# Altium PCB CFD_V1.03.PcbDoc (part 4 of 10)
Units mm, origin at the board's own origin, x right, y up, seen from the top; angles counter-clockwise.
Board outline 96.25 x 362.25 mm, 6 copper layers (Top, L2, L3, L4, L5, Bot), stack 1.496 mm thick; 1353 components, 761 nets, 4147 pads, 1354 vias.
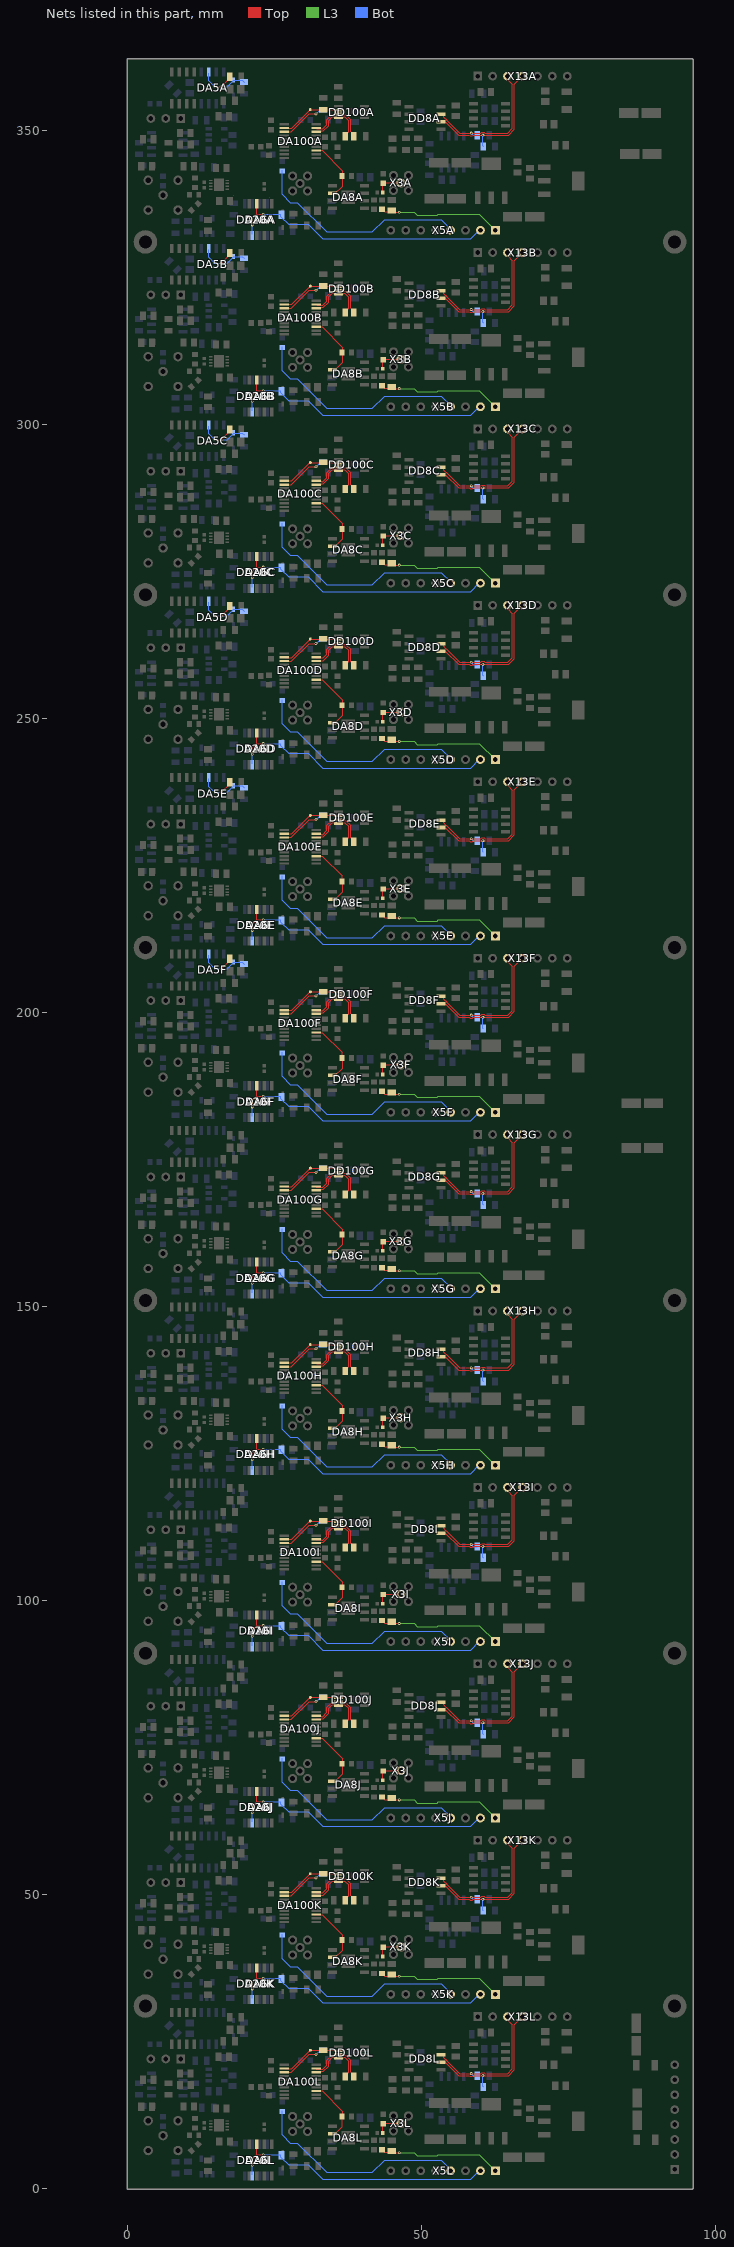
[diagram p8: the nets of this part, all layers, seen from the top]

## Part data (continued)
R4A R4B R4C R4D R4E R4F R4G R4H R4I R4J R4K R4L: library part R0603_18R_0.1%_0.1W_25PPM, "Resistor - 0.1%", Case=0603, Manufacturer=GENERIC, Manufacturer1 ComponentHeight=0.55mm, Manufacturer1 Example=YAGEO, Manufacturer1 Part Number=RT0603BRD0718RL, Power=0.1W, Tolerance=±0.1%, Author="CERN DEM HF", Component Type=Standard, CreateDate=25.04.2024, HelpURL=\\cern.ch\dfs\Applications\Altium\Datasheets\R0603_YAGEO_RT.pdf, LatestRevisionDate=25.04.2024, Manufacturer Part Number=R0603_18R_0.1%_0.1W_25PPM, Mounted=Yes, Part Description="Thin Film Chip Resistor", Part Number=R0603_18R_0.1%_0.1W_25PPM, Pin Count=2, PressFit=No, Sense=No, SMD=Yes, Socket=No, Status="Not Recommended", TC=±25ppm/°C
R5A R5B R5C R5D R5E R5F R5G R5H R5I R5J R5K R5L: library part R0805_1K_1%_0.125W_100PPM, "Resistor - 1%", Case=0805, Manufacturer=GENERIC, Manufacturer1 ComponentHeight=0.6mm, Manufacturer1 Example="NIC COMPONENT", Manufacturer1 Part Number=NRC10F1001TRF, Power=0.125W, Tolerance=±1%, Author="CERN DEM JLC", Component Type=Standard, CreateDate=03.12.2007, HelpURL=\\cern.ch\dfs\Applications\Altium\Datasheets\R0805_NIC_NRC.pdf, LatestRevisionDate=13.03.2008, Manufacturer Part Number=R0805_1K_1%_0.125W_100PPM, Mounted=Yes, Part Description="General Purpose Thick Film Chip Resistor", Part Number=R0805_1K_1%_0.125W_100PPM, Pin Count=2, PressFit=No, Sense=No, SMD=Yes, Socket=No, Status=Preferred, TC=±100ppm/°C
R6A R6B R6C R6D R6E R6F R6G R6H R6I R6J R6K R6L: library part R0402_240R_0.1%_0.0625W_10PPM, "Resistor - 0.1%", Case=0402, Manufacturer=GENERIC, Manufacturer1 ComponentHeight=0.4mm, Manufacturer1 Example=PANASONIC, Manufacturer1 Part Number=ERA2ARB241X, Power=0.063W, Tolerance=±0.1%, Author="CERN DEM HF", Component Type=Standard, CreateDate=25.04.2024, HelpURL=\\cern.ch\dfs\Applications\Altium\Datasheets\R0402_PANASONIC_ERA.pdf, LatestRevisionDate=25.04.2024, Manufacturer Part Number=R0402_240R_0.1%_0.0625W_10PPM, Mounted=Yes, Part Description="Thick Film Chip Resistor", Part Number=R0402_240R_0.1%_0.0625W_10PPM, Pin Count=2, PressFit=No, Sense=No, SMD=Yes, Socket=No, Status="Not Recommended", TC=±10ppm/°C
R8A R8B R8C R8D R8E R8F R8G R8H R8I R8J R8K R8L R48A R48B R48C R48D R48E R48F R48G R48H R48I R48J R48K R48L: library part R0805_360R_0.1%_0.125W_10PPM, "Resistor - 0.1%", Case=0805, Manufacturer=GENERIC, Manufacturer1 ComponentHeight=0.6mm, Manufacturer1 Example="YAGEO PHYCOMP", Manufacturer1 Part Number=RT0805BRB07360RL, Power=0.125W, Tolerance=±0.1%, Author="CERN DEM HF", Component Type=Standard, CreateDate=11.07.2022, HelpURL=\\cern.ch\dfs\Applications\Altium\Datasheets\R0805_YAGEO_RT.pdf, LatestRevisionDate=11.07.2022, Manufacturer Part Number=R0805_360R_0.1%_0.125W_10PPM, Mounted=Yes, Part Description="Thin Film Chip Resistor", Part Number=R0805_360R_0.1%_0.125W_10PPM, Pin Count=2, PressFit=No, Sense=No, SMD=Yes, Socket=No, Status="Not Recommended", TC=±10ppm
R9A R9B R9C R9D R9E R9F R9G R9H R9I R9J R9K R9L R19A R19B R19C R19D R19E R19F R19G R19H R19I R19J R19K R19L R45A R45B R45C R45D R45E R45F R45G R45H R45I R45J R45K R45L R50A R50B R50C R50D R50E R50F R50G R50H R50I R50J R50K R50L: library part R0603_510R_0.1%_0.1W_10PPM, "Resistor - 0.05%", Case=0805, Manufacturer=GENERIC, Manufacturer1 ComponentHeight=0.5mm, Manufacturer1 Example=SUSUMU, Manufacturer1 Part Number=RG1608N-511-W-T1, Power=0.1W, Tolerance=±0.1%, Author="CERN DEM HF", Component Type=Standard, CreateDate=25.04.2024, HelpURL=\\cern.ch\dfs\Applications\Altium\Datasheets\R0603_SUSUMU_RG.pdf, LatestRevisionDate=25.04.2024, Manufacturer Part Number=R0603_510R_0.1%_0.1W_10PPM, Mounted=Yes, Part Description="Thin Film Chip Resistor", Part Number=R0603_510R_0.1%_0.1W_10PPM, Pin Count=2, PressFit=No, Sense=No, SMD=Yes, Socket=No, Status="Not Recommended", TC=±10ppm/°C
R10A R10B R10C R10D R10E R10F R10G R10H R10I R10J R10K R10L R41A R41B R41C R41D R41E R41F R41G R41H R41I R41J R41K R41L: library part R0805_51R_0.05%_0.125W_10PPM, "Resistor - 0.05%", Case=0805, Manufacturer=GENERIC, Manufacturer1 ComponentHeight=0.5mm, Manufacturer1 Example=SUSUMU, Manufacturer1 Part Number=RG2012N-510-W-T1, Power=0.1W, Tolerance=±0.1%, Author="CERN DEM HF", Component Type=Standard, CreateDate=25.04.2024, HelpURL=\\cern.ch\dfs\Applications\Altium\Datasheets\R0805_SUSUMU_RG.pdf, LatestRevisionDate=25.04.2024, Manufacturer Part Number=R0805_51R_0.05%_0.125W_10PPM, Mounted=Yes, Part Description="Thin Film Chip Resistor", Part Number=R0805_51R_0.05%_0.125W_10PPM, Pin Count=2, PressFit=No, Sense=No, SMD=Yes, Socket=No, Status="Not Recommended", TC=±10ppm/°C
R11A R11B R11C R11D R11E R11F R11G R11H R11I R11J R11K R11L: library part R0603_75R_0.1%_0.063W_10PPM, "Resistor - 0.1%", Case=0603, Manufacturer=GENERIC, Manufacturer1 ComponentHeight=0.5mm, Manufacturer1 Example="TYCO HOLSWORTHY", Manufacturer1 Part Number=RN73C1J75RBTDF, Power=0.063W, Tolerance=±0.1%, Author="CERN DEM JLC", Component Type=Standard, CreateDate=03.12.2007, HelpURL=\\cern.ch\dfs\Applications\Altium\Datasheets\R0603_Tyco_RN73.pdf, LatestRevisionDate=13.03.2008, Manufacturer Part Number=R0603_75R_0.1%_0.063W_10PPM, Mounted=Yes, Part Description="Thin Film Chip Resistor", Part Number=R0603_75R_0.1%_0.063W_10PPM, Pin Count=2, PressFit=No, Sense=No, SMD=Yes, Socket=No, Status="Not Recommended", TC=±10ppm
R12A R12B R12C R12D R12E R12F R12G R12H R12I R12J R12K R12L R16A R16B R16C R16D R16E R16F R16G R16H R16I R16J R16K R16L R17A R17B R17C R17D R17E R17F R17G R17H R17I R17J R17K R17L R42A R42B R42C R42D R42E R42F R42G R42H R42I R42J R42K R42L: library part R0805_10K_0.1%_0.1W_10PPM, "Resistor - 0.1%", Case=0805, Manufacturer=GENERIC, Manufacturer1 ComponentHeight=0.6mm, Manufacturer1 Example="TYCO HOLSWORTHY", Manufacturer1 Part Number=RN73C2A10KBTG, Power=0.1W, Tolerance=±0.1%, Author="CERN DEM JLC", Component Type=Standard, CreateDate=03.12.2007, HelpURL=\\cern.ch\dfs\Applications\Altium\Datasheets\R0805_Tyco_RN73.pdf, LatestRevisionDate=13.03.2008, Manufacturer Part Number=R0805_10K_0.1%_0.1W_10PPM, Mounted=Yes, Part Description="Thin Film Chip Resistor", Part Number=R0805_10K_0.1%_0.1W_10PPM, Pin Count=2, PressFit=No, Sense=No, SMD=Yes, Socket=No, Status="Not Recommended", TC=±10ppm
R13A R13B R13C R13D R13E R13F R13G R13H R13I R13J R13K R13L R43A R43B R43C R43D R43E R43F R43G R43H R43I R43J R43K R43L: library part R0805_1K_0.1%_0.1W_10PPM, "Resistor - 0.1%", Case=0805, Manufacturer=GENERIC, Manufacturer1 ComponentHeight=0.6mm, Manufacturer1 Example="TYCO HOLSWORTHY", Manufacturer1 Part Number=RN73C2A1K0BTG, Power=0.1W, Tolerance=±0.1%, Author="CERN DEM JLC", Component Type=Standard, CreateDate=28.05.2013, HelpURL=\\cern.ch\dfs\Applications\Altium\Datasheets\R0805_TYCO_RN73.pdf, LatestRevisionDate=28.05.2013, Manufacturer Part Number=R0805_1K_0.1%_0.1W_10PPM, Mounted=Yes, Part Description="Thin Film Chip Resistor", Part Number=R0805_1K_0.1%_0.1W_10PPM, Pin Count=2, PressFit=No, Sense=No, SMD=Yes, Socket=No, Status="Not Recommended", TC=±10ppm
R14A R14B R14C R14D R14E R14F R14G R14H R14I R14J R14K R14L: library part R0805_20R_0.1%_0.1W_10PPM, "Resistor - 0.1%", Case=0805, Manufacturer=GENERIC, Manufacturer1 ComponentHeight=0.6mm, Manufacturer1 Example="TYCO HOLSWORTHY", Manufacturer1 Part Number=RN73C2A20RBTG, Power=0.1W, Tolerance=±0.1%, Author="CERN DEM JLC", Component Type=Standard, CreateDate=03.12.2007, HelpURL=\\cern.ch\dfs\Applications\Altium\Datasheets\R0805_Tyco_RN73.pdf, LatestRevisionDate=13.03.2008, Manufacturer Part Number=R0805_20R_0.1%_0.1W_10PPM, Mounted=Yes, Part Description="Thin Film Chip Resistor", Part Number=R0805_20R_0.1%_0.1W_10PPM, Pin Count=2, PressFit=No, Sense=No, SMD=Yes, Socket=No, Status="Not Recommended", TC=±10ppm
R15A R15B R15C R15D R15E R15F R15G R15H R15I R15J R15K R15L: library part R0805_100R_0.1%_0.1W_10PPM, "Resistor - 0.1%", Case=0805, Manufacturer=GENERIC, Manufacturer1 ComponentHeight=0.6mm, Manufacturer1 Example="TYCO HOLSWORTHY", Manufacturer1 Part Number=RN73C2A100RBTG, Power=0.1W, Tolerance=±0.1%, Author="CERN DEM JLC", Component Type=Standard, CreateDate=03.12.2007, HelpURL=\\cern.ch\dfs\Applications\Altium\Datasheets\R0805_Tyco_RN73.pdf, LatestRevisionDate=13.03.2008, Manufacturer Part Number=R0805_100R_0.1%_0.1W_10PPM, Mounted=Yes, Part Description="Thin Film Chip Resistor", Part Number=R0805_100R_0.1%_0.1W_10PPM, Pin Count=2, PressFit=No, Sense=No, SMD=Yes, Socket=No, Status="Not Recommended", TC=±10ppm
R18A R18B R18C R18D R18E R18F R18G R18H R18I R18J R18K R18L R44A R44B R44C R44D R44E R44F R44G R44H R44I R44J R44K R44L: library part R0805_200R_0.1%_0.1W_10PPM, "Resistor - 0.1%", Case=0805, Manufacturer=GENERIC, Manufacturer1 ComponentHeight=0.6mm, Manufacturer1 Example="TYCO HOLSWORTHY", Manufacturer1 Part Number=RN73C2A200RBTG, Power=0.1W, Tolerance=±0.1%, Author="CERN DEM JLC", Component Type=Standard, CreateDate=03.12.2007, HelpURL=\\cern.ch\dfs\Applications\Altium\Datasheets\R0805_Tyco_RN73.pdf, LatestRevisionDate=13.03.2008, Manufacturer Part Number=R0805_200R_0.1%_0.1W_10PPM, Mounted=Yes, Part Description="Thin Film Chip Resistor", Part Number=R0805_200R_0.1%_0.1W_10PPM, Pin Count=2, PressFit=No, Sense=No, SMD=Yes, Socket=No, Status="Not Recommended", TC=±10ppm
R21A R21B R21C R21D R21E R21F R21G R21H R21I R21J R21K R21L: library part R0603_120R_0.05%_0.1W_10PPM, "Resistor - 0.05%", Case=0805, Manufacturer=GENERIC, Manufacturer1 ComponentHeight=0.5mm, Manufacturer1 Example=SUSUMU, Manufacturer1 Part Number=RG1608N-121-W-T1, Power=0.1W, Tolerance=±0.05%, Author="CERN DEM HF", Component Type=Standard, CreateDate=25.04.2024, HelpURL=\\cern.ch\dfs\Applications\Altium\Datasheets\R0603_SUSUMU_RG.pdf, LatestRevisionDate=25.04.2024, Manufacturer Part Number=R0603_120R_0.05%_0.1W_10PPM, Mounted=Yes, Part Description="Thin Film Chip Resistor", Part Number=R0603_120R_0.05%_0.1W_10PPM, Pin Count=2, PressFit=No, Sense=No, SMD=Yes, Socket=No, Status="Not Recommended", TC=±10ppm/°C
R28A R28B R28C R28D R28E R28F R28G R28H R28I R28J R28K R28L: library part R0805_20K_1%_0.125W_100PPM, "Resistor - 1%", Case=0805, Manufacturer=GENERIC, Manufacturer1 ComponentHeight=0.6mm, Manufacturer1 Example="NIC COMPONENT", Manufacturer1 Part Number=NRC10F2002TRF, Power=0.125W, Tolerance=±1%, Author="CERN DEM JLC", Component Type=Standard, CreateDate=03.12.2007, HelpURL=\\cern.ch\dfs\Applications\Altium\Datasheets\R0805_NIC_NRC.pdf, LatestRevisionDate=13.03.2008, Manufacturer Part Number=R0805_20K_1%_0.125W_100PPM, Mounted=Yes, Part Description="General Purpose Thick Film Chip Resistor", Part Number=R0805_20K_1%_0.125W_100PPM, Pin Count=2, PressFit=No, Sense=No, SMD=Yes, Socket=No, Status=Preferred, TC=±100ppm/°C
R29A R29B R29C R29D R29E R29F R29G R29H R29I R29J R29K R29L: library part R0805_33K_1%_0.125W_100PPM, "Resistor - 1%", Case=0805, Manufacturer=GENERIC, Manufacturer1 ComponentHeight=0.6mm, Manufacturer1 Example="NIC COMPONENT", Manufacturer1 Part Number=NRC10F3302TRF, Power=0.125W, Tolerance=±1%, Author="CERN DEM JLC", Component Type=Standard, CreateDate=03.12.2007, HelpURL=\\cern.ch\dfs\Applications\Altium\Datasheets\R0805_NIC_NRC.pdf, LatestRevisionDate=13.03.2008, Manufacturer Part Number=R0805_33K_1%_0.125W_100PPM, Mounted=Yes, Part Description="General Purpose Thick Film Chip Resistor", Part Number=R0805_33K_1%_0.125W_100PPM, Pin Count=2, PressFit=No, Sense=No, SMD=Yes, Socket=No, Status=Preferred, TC=±100ppm/°C
R39A R39B R39C R39D R39E R39F R39G R39H R39I R39J R39K R39L: library part R0402_510R_0.1%_0.0625W_10PPM, "Resistor - 0.1%", Case=0402, Manufacturer=GENERIC, Manufacturer1 ComponentHeight=0.4mm, Manufacturer1 Example=PANASONIC, Manufacturer1 Part Number=ERA2ARB511X, Power=0.063W, Tolerance=±0.1%, Author="CERN DEM HF", Component Type=Standard, CreateDate=25.04.2024, HelpURL=\\cern.ch\dfs\Applications\Altium\Datasheets\R0402_PANASONIC_ERA.pdf, LatestRevisionDate=25.04.2024, Manufacturer Part Number=R0402_510R_0.1%_0.0625W_10PPM, Mounted=Yes, Part Description="Thick Film Chip Resistor", Part Number=R0402_510R_0.1%_0.0625W_10PPM, Pin Count=2, PressFit=No, Sense=No, SMD=Yes, Socket=No, Status="Not Recommended", TC=±10ppm/°C
R40A R40B R40C R40D R40E R40F R40G R40H R40I R40J R40K R40L: library part R0603_27R_0.1%_0.1W_10PPM, "Resistor - 0.1%", Case=0603, Manufacturer=GENERIC, Manufacturer1 ComponentHeight=0.55mm, Manufacturer1 Example=YAGEO, Manufacturer1 Part Number=RT0603BRB0727RL, Power=0.1W, Tolerance=±0.1%, Author="CERN DEM HF", Component Type=Standard, CreateDate=25.04.2024, HelpURL=\\cern.ch\dfs\Applications\Altium\Datasheets\R0603_YAGEO_RT.pdf, LatestRevisionDate=25.04.2024, Manufacturer Part Number=R0603_27R_0.1%_0.1W_10PPM, Mounted=Yes, Part Description="Thin Film Chip Resistor", Part Number=R0603_27R_0.1%_0.1W_10PPM, Pin Count=2, PressFit=No, Sense=No, SMD=Yes, Socket=No, Status="Not Recommended", TC=±10ppm/°C
R304A R304B R304C R304D R304E R304F R304G R304H R304I R304J R304K R304L: library part R0603_100R_0.1%_0.1W_10PPM_VISHAY_MCT, "Resistor - 0.1%", Case=0603, Manufacturer="VISHAY BEYSCHLAG", Manufacturer Part Number=MCT06030F1000B, Power=0.1W, Tolerance=±0.1%, Author="CERN DEM BC", Component Type=Standard, ComponentHeight=0.55mm, CreateDate=25.08.2020, HelpURL=\\cern.ch\dfs\Applications\Altium\Datasheets\R0603_VISHAY_MCT-Precision.pdf, LatestRevisionDate=28.06.2022, Mounted=Yes, Part Description="Precision Thin Film Chip Resistor", Part Number=R0603_100R_0.1%_0.1W_10PPM_VISHAY_MCT, Pin Count=2, PressFit=No, Sense=No, SMD=Yes, Socket=No, Status="Not Recommended", TC=±10ppm/°C
R306A R306B R306C R306D R306E R306F R306G R306H R306I R306J R306K R306L: library part R0402_100R_0.1%_0.063W_25PPM, "Resistor - 0.1%", Case=0402, Manufacturer=GENERIC, Manufacturer1 ComponentHeight=0.35mm, Manufacturer1 Example="TE CONNECTIVITY", Manufacturer1 Part Number=CPF0402B100RE1, Power=0.063W, Tolerance=±0.1%, Author="CERN DEM JMW", Component Type=Standard, CreateDate=22.09.2015, HelpURL=\\cern.ch\dfs\Applications\Altium\Datasheets\R0402_TYCO_CPF.pdf, LatestRevisionDate=22.09.2015, Manufacturer Part Number=R0402_100R_0.1%_0.063W_25PPM, Mounted=Yes, Part Description="Thin Film Precision Resistor", Part Number=R0402_100R_0.1%_0.063W_25PPM, Pin Count=2, PressFit=No, Sense=No, SMD=Yes, Socket=No, Status="Not Recommended", TC=±25ppm/°C
R401A R401B R401C R401D R401E R401F R401G R401H R401I R401J R401K R401L: library part R0603_16R_0.1%_0.1W_10PPM, "Resistor - 0.1%", Case=0603, Manufacturer=GENERIC, Manufacturer1 ComponentHeight=0.55mm, Manufacturer1 Example=YAGEO, Manufacturer1 Part Number=RT0603BRB0716RL, Power=0.1W, Tolerance=±0.1%, Author="CERN DEM HF", Component Type=Standard, CreateDate=25.04.2024, HelpURL=\\cern.ch\dfs\Applications\Altium\Datasheets\R0603_YAGEO_RT.pdf, LatestRevisionDate=25.04.2024, Manufacturer Part Number=R0603_16R_0.1%_0.1W_10PPM, Mounted=Yes, Part Description="Thin Film Chip Resistor", Part Number=R0603_16R_0.1%_0.1W_10PPM, Pin Count=2, PressFit=No, Sense=No, SMD=Yes, Socket=No, Status="Not Recommended", TC=±10ppm/°C
VD1A VD1B VD1C VD1D VD1E VD1F VD1G VD1H VD1I VD1J VD1K VD1L VD2A VD2B VD2C VD2D VD2E VD2F VD2G VD2H VD2I VD2J VD2K VD2L: "Schottky Diode", Case=SOD-323, Manufacturer=INFINEON, Power=100mA, Voltage=4V, Author="CERN DEM HF", Bonding=No, Component Type=Standard, ComponentHeight=1.1mm, CreateDate=15.04.2024, Device=BAT60A, HelpURL=\\cern.ch\dfs\Applications\Altium\Datasheets\BAT15-03W.pdf, LatestRevisionDate=15.04.2024, Manufacturer Part Number=BAT15-03W, Mounted=Yes, PackageDescription="Small Outline Diode (SOD-323), 1.70mm W X 1.25mm L X 1.10mm H body,  IPC Medium Density", Part Description="Single Silicon RF Schottky Diode", Part Number=BAT15-03W, Pin Count=2, PressFit=No, Sense=No, SMD=Yes, Socket=No
X1A X1B X1C X1D X1E X1F X1G X1H X1I X1J X1K X1L: library part SAMTEC_CES-103-01-L-S, "Connector 3 Female", Manufacturer=SAMTEC, Manufacturer Part Number=CES-103-01-L-S, Author="CERN DEM HF", Component Type=Standard, ComponentHeight=5.08mm, CreateDate=25.04.2024, Family="Socket 3", HelpURL=\\cern.ch\dfs\Applications\Altium\Datasheets\SAMTEC_CES-103-01-T-S.pdf, LatestRevisionDate=25.04.2024, Mounted=Yes, Part Description="3 Contacts, Pitch 2.54mm, Single Row Through Mount Straight Socket (Lead Length 3.25mm)", Part Number=SAMTEC_CES-103-01-L-S, Pin Count=3, PressFit=No, Sense=No, SMD=No, Socket=No, Status=None
X2 X5A X5B X5C X5D X5E X5F X5G X5H X5I X5J X5K X5L: library part SAMTEC_CES-108-01-L-S, "Connector 8 Female", Manufacturer=SAMTEC, Manufacturer Part Number=CES-108-01-L-S, Author="CERN DEM HF", Component Type=Standard, ComponentHeight=5.08mm, CreateDate=25.04.2024, Family="Socket 8", HelpURL=\\cern.ch\dfs\Applications\Altium\Datasheets\SAMTEC_CES-108-01-T-S.pdf, LatestRevisionDate=25.04.2024, Mounted=Yes, Part Description="8 Contacts, Pitch 2.54mm, Single Row Through Mount Straight Socket (Lead Length 3.25mm)", Part Number=SAMTEC_CES-108-01-L-S, Pin Count=8, PressFit=No, Sense=No, SMD=No, Socket=No, Status=None
X3A X3B X3C X3D X3E X3F X3G X3H X3I X3J X3K X3L X4A X4B X4C X4D X4E X4F X4G X4H X4I X4J X4K X4L: library part SAMTEC_MMCX-J-P-H-ST-TH1, Manufacturer=SAMTEC, Manufacturer Part Number=MMCX-J-P-H-ST-TH1, Author="CERN DEM JLC", Component Type=Standard, ComponentHeight=4.35mm, CreateDate=05.12.2012, HelpURL=\\cern.ch\dfs\Applications\Altium\Datasheets\SAMTEC_MMCX-J-P-H-ST-TH1.pdf, LatestRevisionDate=05.12.2012, Mounted=Yes, Part Description="Straight Through-hole 50 Ohms Micro Mini RF Jack, MMCX Series", Part Number=SAMTEC_MMCX-J-P-H-ST-TH1, Pin Count=2, PressFit=No, Sense=No, SMD=No, Socket=No, Status=None
X12A X12B X12C X12D X12E X12F X12G X12H X12I X12J X12K X12L: library part LEMO_EPL.00.250.NTN, Manufacturer=LEMO, Manufacturer Part Number=EPL.00.250.NTN, Author="CERN DEM JLC", Component Type=Standard, ComponentHeight=7mm, CreateDate=03.12.2007, Family="LEMO 00", HelpURL=\\cern.ch\dfs\Applications\Altium\Datasheets\LEMO_EPL.00.250.NTN.pdf, LatestRevisionDate=11.02.2016, Mounted=Yes, Part Description="Size 00, 50 Ohms Coaxial Elbow (90°) socket", Part Number=LEMO_EPL.00.250.NTN, Pin Count=2, PressFit=No, Sense=No, SMD=No, Socket=No, Status=Obsolete
X13A X13B X13C X13D X13E X13F X13G X13H X13I X13J X13K X13L: library part SAMTEC_CES-107-01-L-S, "Connector 7 Female", Manufacturer=SAMTEC, Manufacturer Part Number=CES-107-01-L-S, Author="CERN DEM HF", Component Type=Standard, ComponentHeight=5.08mm, CreateDate=25.04.2024, Family="Socket 7", HelpURL=\\cern.ch\dfs\Applications\Altium\Datasheets\SAMTEC_CES-107-01-T-S.pdf, LatestRevisionDate=25.04.2024, Mounted=Yes, Part Description="7 Contacts, Pitch 2.54mm, Single Row Through Mount Straight Socket (Lead Length 3.25mm)", Part Number=SAMTEC_CES-107-01-L-S, Pin Count=7, PressFit=No, Sense=No, SMD=No, Socket=No, Status=None

## Free pads (board coordinates)
  round 4 hole 2.2: 1(3,31) 1(3,91) 1(3,151) 1(3,211) 1(3,271) 1(3,331) 1(93,31) 1(93,91) 1(93,151) 1(93,211) 1(93,271) 1(93,331)
  round 0.2 smd far side mask+0.925: 1(4.2,347.17)
  round 0.2 smd mask+0.425: 1(11.4,343.9)
  round 0.2 smd far side mask+0.55: 1(13.95,350.2)
  round 0.2 smd far side mask+0.175: 1(15.07,359.7)
  round 0.2 smd far side mask+0.764: 1(18,338.9) 1(24.08,338.55)
  round 0.2 smd mask+0.275: 1(23.2,340.05)
  round 0.5 smd mask+0.05: 1(31.03,53.5) 1(31.03,143.5) 1(31.03,263.5) 1(31.03,353.5) 1(31.045,23.485) 1(31.045,83.485) 1(31.045,113.485) 1(31.045,173.485) 1(31.045,203.485) 1(31.045,233.485) 1(31.045,293.485) 1(31.045,323.485)

## Via types
v1: diameter 0.48, hole 0.25, Top to Bot, tented both sides, 1301 vias
v2: diameter 1, hole 0.6, Top to Bot, tented both sides, 46 vias
v3: diameter 0.2/0.48/0.48/0.48/0.48/0.48 (per signal layer), hole 0.25, Top to Bot, tented both sides, 3 vias
v4: diameter 0.2/0/0/0/0/0.48 (per signal layer), hole 0.25, Top to Bot, tented both sides, 3 vias
v5: diameter 0.48/0.48/0.48/0.48/0.48/0.48 (per signal layer), hole 0.25, Top to Bot, tented both sides, 1 vias

## Nets (pads, with @x,y where several pads share a name; then routed paths per layer and width w, separated by ;. In a path a pad name is that pad's centre, name@x,y a point inside that pad or via, vN(x,y) a via of type N, cw(c..) or ccw(c..) an arc to the next point about the centre after c; other vN are vias at no path point)
BUFFER_OFFSETA: C12A.2 DA6A.3 DA20A.3 X5A.2 | length 45.8
  Top w0.2: v1(21.16,333.91) 21.16,334.93 21.93,335.7 v1(23.03,335.7) ; 21.93,335.77 DA6A.3@21.93,337.3
  Bot w0.2: DA20A.3@21.16,332.3 v1(21.16,333.91) ; v1(23.03,335.7) 26.03,335.7 26.03,335.325 27.33,334.025 30.646,334.025 33.135,331.535 58.315,331.535 X5A.2@59.88,333.1
BUFFER_OFFSETB: C12B.2 DA6B.3 DA20B.3 X5B.2 | length 45.8
  Top w0.2: v1(21.16,303.91) 21.16,304.93 21.93,305.7 v1(23.03,305.7) ; 21.93,305.77 DA6B.3@21.93,307.3
  Bot w0.2: DA20B.3@21.16,302.3 v1(21.16,303.91) ; v1(23.03,305.7) 26.03,305.7 26.03,305.325 27.33,304.025 30.646,304.025 33.135,301.535 58.315,301.535 X5B.2@59.88,303.1
BUFFER_OFFSETC: C12C.2 DA6C.3 DA20C.3 X5C.2 | length 45.8
  Top w0.2: v1(21.16,273.91) 21.16,274.93 21.93,275.7 v1(23.03,275.7) ; 21.93,275.77 DA6C.3@21.93,277.3
  Bot w0.2: DA20C.3@21.16,272.3 v1(21.16,273.91) ; v1(23.03,275.7) 26.03,275.7 26.03,275.325 27.33,274.025 30.646,274.025 33.135,271.535 58.315,271.535 X5C.2@59.88,273.1
BUFFER_OFFSETD: C12D.2 DA6D.3 DA20D.3 X5D.2 | length 45.8
  Top w0.2: v1(21.16,243.91) 21.16,244.93 21.93,245.7 v1(23.03,245.7) ; 21.93,245.77 DA6D.3@21.93,247.3
  Bot w0.2: DA20D.3@21.16,242.3 v1(21.16,243.91) ; v1(23.03,245.7) 26.03,245.7 26.03,245.325 27.33,244.025 30.646,244.025 33.135,241.535 58.315,241.535 X5D.2@59.88,243.1
BUFFER_OFFSETE: C12E.2 DA6E.3 DA20E.3 X5E.2 | length 45.8
  Top w0.2: v1(21.16,213.91) 21.16,214.93 21.93,215.7 v1(23.03,215.7) ; 21.93,215.77 DA6E.3@21.93,217.3
  Bot w0.2: DA20E.3@21.16,212.3 v1(21.16,213.91) ; v1(23.03,215.7) 26.03,215.7 26.03,215.325 27.33,214.025 30.646,214.025 33.135,211.535 58.315,211.535 X5E.2@59.88,213.1
BUFFER_OFFSETF: C12F.2 DA6F.3 DA20F.3 X5F.2 | length 45.8
  Top w0.2: v1(21.16,183.91) 21.16,184.93 21.93,185.7 v1(23.03,185.7) ; 21.93,185.77 DA6F.3@21.93,187.3
  Bot w0.2: DA20F.3@21.16,182.3 v1(21.16,183.91) ; v1(23.03,185.7) 26.03,185.7 26.03,185.325 27.33,184.025 30.646,184.025 33.135,181.535 58.315,181.535 X5F.2@59.88,183.1
BUFFER_OFFSETG: C12G.2 DA6G.3 DA20G.3 X5G.2 | length 45.8
  Top w0.2: v1(21.16,153.91) 21.16,154.93 21.93,155.7 v1(23.03,155.7) ; 21.93,155.77 DA6G.3@21.93,157.3
  Bot w0.2: DA20G.3@21.16,152.3 v1(21.16,153.91) ; v1(23.03,155.7) 26.03,155.7 26.03,155.325 27.33,154.025 30.646,154.025 33.135,151.535 58.315,151.535 X5G.2@59.88,153.1
BUFFER_OFFSETH: C12H.2 DA6H.3 DA20H.3 X5H.2 | length 45.8
  Top w0.2: v1(21.16,123.91) 21.16,124.93 21.93,125.7 v1(23.03,125.7) ; 21.93,125.77 DA6H.3@21.93,127.3
  Bot w0.2: DA20H.3@21.16,122.3 v1(21.16,123.91) ; v1(23.03,125.7) 26.03,125.7 26.03,125.325 27.33,124.025 30.646,124.025 33.135,121.535 58.315,121.535 X5H.2@59.88,123.1
BUFFER_OFFSETI: C12I.2 DA6I.3 DA20I.3 X5I.2 | length 45.8
  Top w0.2: v1(21.16,93.91) 21.16,94.93 21.93,95.7 v1(23.03,95.7) ; 21.93,95.77 DA6I.3@21.93,97.3
  Bot w0.2: DA20I.3@21.16,92.3 v1(21.16,93.91) ; v1(23.03,95.7) 26.03,95.7 26.03,95.325 27.33,94.025 30.646,94.025 33.135,91.535 58.315,91.535 X5I.2@59.88,93.1
BUFFER_OFFSETJ: C12J.2 DA6J.3 DA20J.3 X5J.2 | length 45.8
  Top w0.2: v1(21.16,63.91) 21.16,64.93 21.93,65.7 v1(23.03,65.7) ; 21.93,65.77 DA6J.3@21.93,67.3
  Bot w0.2: DA20J.3@21.16,62.3 v1(21.16,63.91) ; v1(23.03,65.7) 26.03,65.7 26.03,65.325 27.33,64.025 30.646,64.025 33.135,61.535 58.315,61.535 X5J.2@59.88,63.1
BUFFER_OFFSETK: C12K.2 DA6K.3 DA20K.3 X5K.2 | length 45.8
  Top w0.2: v1(21.16,33.91) 21.16,34.93 21.93,35.7 v1(23.03,35.7) ; 21.93,35.77 DA6K.3@21.93,37.3
  Bot w0.2: DA20K.3@21.16,32.3 v1(21.16,33.91) ; v1(23.03,35.7) 26.03,35.7 26.03,35.325 27.33,34.025 30.646,34.025 33.135,31.535 58.315,31.535 X5K.2@59.88,33.1
BUFFER_OFFSETL: C12L.2 DA6L.3 DA20L.3 X5L.2 | length 45.8
  Top w0.2: v1(21.16,3.91) 21.16,4.93 21.93,5.7 v1(23.03,5.7) ; 21.93,5.77 DA6L.3@21.93,7.3
  Bot w0.2: DA20L.3@21.16,2.3 v1(21.16,3.91) ; v1(23.03,5.7) 26.03,5.7 26.03,5.325 27.33,4.025 30.646,4.025 33.135,1.535 58.315,1.535 X5L.2@59.88,3.1
CFD_CMP_OFFSETA: R401A.1 X5A.4 | length 36.9
  Bot w0.2: R401A.1@26.25,343.18 26.25,339.08 27.63,337.7 28.8,337.7 33.8,332.7 41.605,332.7 43.655,334.75 53.33,334.75 X5A.4@54.88,333.2
CFD_CMP_OFFSETB: R401B.1 X5B.4 | length 36.9
  Bot w0.2: R401B.1@26.25,313.18 26.25,309.08 27.63,307.7 28.8,307.7 33.8,302.7 41.605,302.7 43.655,304.75 53.33,304.75 X5B.4@54.88,303.2
CFD_CMP_OFFSETC: R401C.1 X5C.4 | length 36.9
  Bot w0.2: R401C.1@26.25,283.18 26.25,279.08 27.63,277.7 28.8,277.7 33.8,272.7 41.605,272.7 43.655,274.75 53.33,274.75 X5C.4@54.88,273.2
CFD_CMP_OFFSETD: R401D.1 X5D.4 | length 36.9
  Bot w0.2: R401D.1@26.25,253.18 26.25,249.08 27.63,247.7 28.8,247.7 33.8,242.7 41.605,242.7 43.655,244.75 53.33,244.75 X5D.4@54.88,243.2
CFD_CMP_OFFSETE: R401E.1 X5E.4 | length 36.9
  Bot w0.2: R401E.1@26.25,223.18 26.25,219.08 27.63,217.7 28.8,217.7 33.8,212.7 41.605,212.7 43.655,214.75 53.33,214.75 X5E.4@54.88,213.2
CFD_CMP_OFFSETF: R401F.1 X5F.4 | length 36.9
  Bot w0.2: R401F.1@26.25,193.18 26.25,189.08 27.63,187.7 28.8,187.7 33.8,182.7 41.605,182.7 43.655,184.75 53.33,184.75 X5F.4@54.88,183.2
CFD_CMP_OFFSETG: R401G.1 X5G.4 | length 36.9
  Bot w0.2: R401G.1@26.25,163.18 26.25,159.08 27.63,157.7 28.8,157.7 33.8,152.7 41.605,152.7 43.655,154.75 53.33,154.75 X5G.4@54.88,153.2
CFD_CMP_OFFSETH: R401H.1 X5H.4 | length 36.9
  Bot w0.2: R401H.1@26.25,133.18 26.25,129.08 27.63,127.7 28.8,127.7 33.8,122.7 41.605,122.7 43.655,124.75 53.33,124.75 X5H.4@54.88,123.2
CFD_CMP_OFFSETI: R401I.1 X5I.4 | length 36.9
  Bot w0.2: R401I.1@26.25,103.18 26.25,99.08 27.63,97.7 28.8,97.7 33.8,92.7 41.605,92.7 43.655,94.75 53.33,94.75 X5I.4@54.88,93.2
CFD_CMP_OFFSETJ: R401J.1 X5J.4 | length 36.9
  Bot w0.2: R401J.1@26.25,73.18 26.25,69.08 27.63,67.7 28.8,67.7 33.8,62.7 41.605,62.7 43.655,64.75 53.33,64.75 X5J.4@54.88,63.2
CFD_CMP_OFFSETK: R401K.1 X5K.4 | length 36.9
  Bot w0.2: R401K.1@26.25,43.18 26.25,39.08 27.63,37.7 28.8,37.7 33.8,32.7 41.605,32.7 43.655,34.75 53.33,34.75 X5K.4@54.88,33.2
CFD_CMP_OFFSETL: R401L.1 X5L.4 | length 36.9
  Bot w0.2: R401L.1@26.25,13.18 26.25,9.08 27.63,7.7 28.8,7.7 33.8,2.7 41.605,2.7 43.655,4.75 53.33,4.75 X5L.4@54.88,3.2
CFD_DELA_N: DA100A.18 DD100A.4 R302A.1 | length 10.3
  Top w0.2: DA100A.18@32.03,349.735 32.13,349.835 32.919,349.835 32.962,349.877 33.275,349.877 34.182,350.784 34.182,351.646 34.793,352.258 34.959,352.258 34.984,352.233 35.733,352.233 DD100A.4@35.858,352.108 35.983,352.233 36.732,352.233 36.757,352.258 36.923,352.258 37.557,351.623 37.557,349.714 37.44,349.597 37.387,349.597 37.012,349.222 R302A.1@37.012,348.997
CFD_DELA_P: DA100A.19 DD100A.3 R303A.1 | length 10.9
  Top w0.2: DA100A.19@32.03,350.37 32.13,350.27 32.919,350.27 32.962,350.227 33.13,350.227 33.832,350.929 33.832,351.791 34.648,352.608 34.959,352.608 34.984,352.633 35.733,352.633 DD100A.3@35.858,352.758 35.983,352.633 36.732,352.633 36.757,352.608 37.068,352.608 37.907,351.768 37.907,349.714 38.024,349.596 38.077,349.596 38.452,349.221 R303A.1@38.452,348.996
CFD_DELAYEDA: DA8A.6 DA100A.13 R304A.2 | length 10.4
  Top w0.12: DA100A.13@31.83,346.56 DA100A.13@32.03,346.56 33.07,346.56 36.58,343.05 R304A.2@36.58,342.21
  Top w0.15: DA8A.6@35.3,339.261 36.548,340.51 R304A.2@36.548,342.101
CFD_DELAYEDB: DA8B.6 DA100B.13 R304B.2 | length 18
  Top w0.12: R304B.2@36.58,312.2 36.58,313.05 ; R304B.2@36.58,312.21 36.58,313.05 ; 33.07,316.56 36.58,313.05 ; 33.07,316.56 DA100B.13@32.03,316.559 31.83,316.56 33.07,316.56 ; 33.07,316.56 36.58,313.05 ; DA8B.6@35,309.27 35.02,309.25 DA8B.6@35,309.27
  Top w0.15: DA8B.6@34.825,309.261 35.3,309.261 36.548,310.509 R304B.2@36.548,312.101
CFD_DELAYEDC: DA8C.6 DA100C.13 R304C.2 | length 11
  Top w0.12: DA100C.13@31.83,286.56 33.07,286.56 36.548,283.082 R304C.2@36.548,282.101
  Top w0.15: DA8C.6@34.825,279.261 35.3,279.261 36.548,280.509 R304C.2@36.548,282.101
CFD_DELAYEDD: DA8D.6 DA100D.13 R304D.2 | length 10.9
  Top w0.12: DA100D.13@31.83,256.56 32.03,256.56 33.07,256.56 36.58,253.05 R304D.2@36.58,252.21
  Top w0.15: DA8D.6@34.825,249.261 35.3,249.261 36.548,250.509 R304D.2@36.548,252.101
CFD_DELAYEDE: DA8E.6 DA100E.13 R304E.2 | length 10.8
  Top w0.12: DA100E.13@31.83,226.56 33.07,226.56 36.439,223.191 R304E.2@36.439,222.21
  Top w0.15: DA8E.6@34.825,219.261 35.3,219.261 36.548,220.509 R304E.2@36.548,222.101
CFD_DELAYEDF: DA8F.6 DA100F.13 R304F.2 | length 10.8
  Top w0.12: DA100F.13@31.83,196.56 33.07,196.56 36.439,193.191 R304F.2@36.439,192.21
  Top w0.15: DA8F.6@34.825,189.261 35.3,189.261 36.548,190.509 R304F.2@36.548,192.101
CFD_DELAYEDG: DA8G.6 DA100G.13 R304G.2 | length 10.9
  Top w0.12: DA100G.13@31.83,166.56 DA100G.13@32.03,166.559 33.07,166.56 36.58,163.05 R304G.2@36.58,162.21
  Top w0.15: DA8G.6@34.825,159.261 35.3,159.261 36.548,160.509 R304G.2@36.548,162.101
CFD_DELAYEDH: DA8H.6 DA100H.13 R304H.2 | length 10.9
  Top w0.12: DA100H.13@31.83,136.56 DA100H.13@32.03,136.56 33.07,136.56 36.58,133.05 R304H.2@36.58,132.21
  Top w0.15: DA8H.6@34.825,129.261 35.3,129.261 36.548,130.509 R304H.2@36.548,132.101
CFD_DELAYEDI: DA8I.6 DA100I.13 R304I.2 | length 10.9
  Top w0.12: DA100I.13@31.83,106.56 DA100I.13@32.03,106.559 33.07,106.56 36.58,103.05 R304I.2@36.58,102.21
  Top w0.15: DA8I.6@34.825,99.261 35.3,99.261 36.548,100.509 R304I.2@36.548,102.101
CFD_DELAYEDJ: DA8J.6 DA100J.13 R304J.2 | length 10.9
  Top w0.12: DA100J.13@31.83,76.56 DA100J.13@32.03,76.559 33.07,76.56 36.58,73.05 R304J.2@36.58,72.21
  Top w0.15: DA8J.6@34.825,69.261 35.3,69.261 36.548,70.509 R304J.2@36.548,72.101
CFD_DELAYEDK: DA8K.6 DA100K.13 R304K.2 | length 10.9
  Top w0.12: DA100K.13@31.83,46.56 DA100K.13@32.03,46.56 33.07,46.56 36.58,43.05 R304K.2@36.58,42.21
  Top w0.15: DA8K.6@34.825,39.261 35.3,39.261 36.548,40.509 R304K.2@36.548,42.101
CFD_DELAYEDL: DA8L.6 DA100L.13 R304L.2 | length 11.1
  Top w0.12: DA100L.13@31.83,16.56 33.07,16.56 36.58,13.05 R304L.2@36.58,12.21
  Top w0.15: DA8L.6@34.825,9.261 35.3,9.261 35.742,9.703 35.742,9.742 36.48,10.48 36.48,10.813 36.439,10.854 R304L.2@36.439,12.21 R304L.2@36.548,12.101
CFD_DELB_N: DA100B.18 DD100B.4 R302B.1 | length 10.3
  Top w0.2: DA100B.18@32.03,319.734 32.13,319.835 32.919,319.835 32.962,319.877 33.275,319.877 34.182,320.784 34.182,321.646 34.793,322.258 34.959,322.258 34.984,322.233 35.733,322.233 DD100B.4@35.858,322.108 35.983,322.233 36.732,322.233 36.757,322.258 36.923,322.258 37.557,321.623 37.557,319.714 37.44,319.597 37.387,319.597 37.012,319.222 R302B.1@37.012,318.997
CFD_DELB_P: DA100B.19 DD100B.3 R303B.1 | length 10.9
  Top w0.2: DA100B.19@32.03,320.369 32.13,320.27 32.919,320.27 32.962,320.227 33.13,320.227 33.832,320.929 33.832,321.791 34.648,322.608 34.959,322.608 34.984,322.633 35.733,322.633 35.858,322.758 35.983,322.633 36.732,322.633 36.757,322.608 37.068,322.608 37.907,321.768 37.907,319.714 38.024,319.596 38.077,319.596 38.452,319.221 R303B.1@38.452,318.996
CFD_DELC_N: DA100C.18 DD100C.4 R302C.1 | length 10.3
  Top w0.2: DA100C.18@32.03,289.735 32.13,289.835 32.919,289.835 32.962,289.877 33.275,289.877 34.182,290.784 34.182,291.646 34.793,292.258 34.959,292.258 34.984,292.233 35.733,292.233 DD100C.4@35.858,292.108 35.983,292.233 36.732,292.233 36.757,292.258 36.923,292.258 37.557,291.623 37.557,289.714 37.44,289.597 37.387,289.597 37.012,289.222 R302C.1@37.012,288.997
CFD_DELC_P: DA100C.19 DD100C.3 R303C.1 | length 10.9
  Top w0.2: DA100C.19@32.03,290.37 32.13,290.27 32.919,290.27 32.962,290.227 33.13,290.227 33.832,290.929 33.832,291.791 34.648,292.608 34.959,292.608 34.984,292.633 35.733,292.633 35.858,292.758 35.983,292.633 36.732,292.633 36.757,292.608 37.068,292.608 37.907,291.768 37.907,289.714 38.024,289.596 38.077,289.596 38.452,289.221 R303C.1@38.452,288.996
CFD_DELD_N: DA100D.18 DD100D.4 R302D.1 | length 10.3
  Top w0.2: DA100D.18@32.02,259.671 32.12,259.771 32.909,259.771 32.952,259.813 33.265,259.813 34.171,260.72 34.171,261.582 34.783,262.193 34.949,262.193 34.974,262.168 35.723,262.168 35.848,262.043 35.973,262.168 36.722,262.168 36.747,262.193 36.913,262.193 37.547,261.559 37.547,259.65 37.43,259.532 37.377,259.532 37.002,259.157 R302D.1@37.002,258.932
CFD_DELD_P: DA100D.19 DD100D.3 R303D.1 | length 10.8
  Top w0.2: DA100D.19@32.02,260.306 33.262,260.306 33.821,260.865 33.821,261.727 34.638,262.543 34.949,262.543 34.974,262.568 35.723,262.568 35.848,262.693 35.973,262.568 36.722,262.568 36.747,262.543 37.058,262.543 37.897,261.704 37.897,259.649 38.014,259.532 38.067,259.532 38.442,259.157 R303D.1@38.442,258.932
CFD_DELE_N: DA100E.18 DD100E.4 R302E.1 | length 10.3
  Top w0.2: DA100E.18@32.03,229.735 32.13,229.835 32.919,229.835 32.962,229.877 33.275,229.877 34.182,230.784 34.182,231.646 34.793,232.258 34.959,232.258 34.984,232.233 35.733,232.233 35.858,232.108 35.983,232.233 36.732,232.233 36.757,232.258 36.923,232.258 37.557,231.623 37.557,229.714 37.44,229.597 37.387,229.597 37.012,229.222 R302E.1@37.012,228.997
CFD_DELE_P: DA100E.19 DD100E.3 R303E.1 | length 10.9
  Top w0.2: DA100E.19@32.03,230.37 32.13,230.27 32.919,230.27 32.962,230.227 33.13,230.227 33.832,230.929 33.832,231.791 34.648,232.608 34.959,232.608 34.984,232.633 35.733,232.633 35.858,232.758 35.983,232.633 36.732,232.633 36.757,232.608 37.068,232.608 37.907,231.768 37.907,229.714 38.024,229.596 38.077,229.596 38.452,229.221 R303E.1@38.452,228.996
CFD_DELF_N: DA100F.18 DD100F.4 R302F.1 | length 10.3
  Top w0.2: DA100F.18@32.03,199.735 32.13,199.835 32.919,199.835 32.962,199.877 33.275,199.877 34.182,200.784 34.182,201.646 34.793,202.258 34.959,202.258 34.984,202.233 35.733,202.233 35.858,202.108 35.983,202.233 36.732,202.233 36.757,202.258 36.923,202.258 37.557,201.623 37.557,199.714 37.44,199.597 37.387,199.597 37.012,199.222 R302F.1@37.012,198.997